# Altium PCB EDR.PcbDoc (part 1 of 2) (continued)
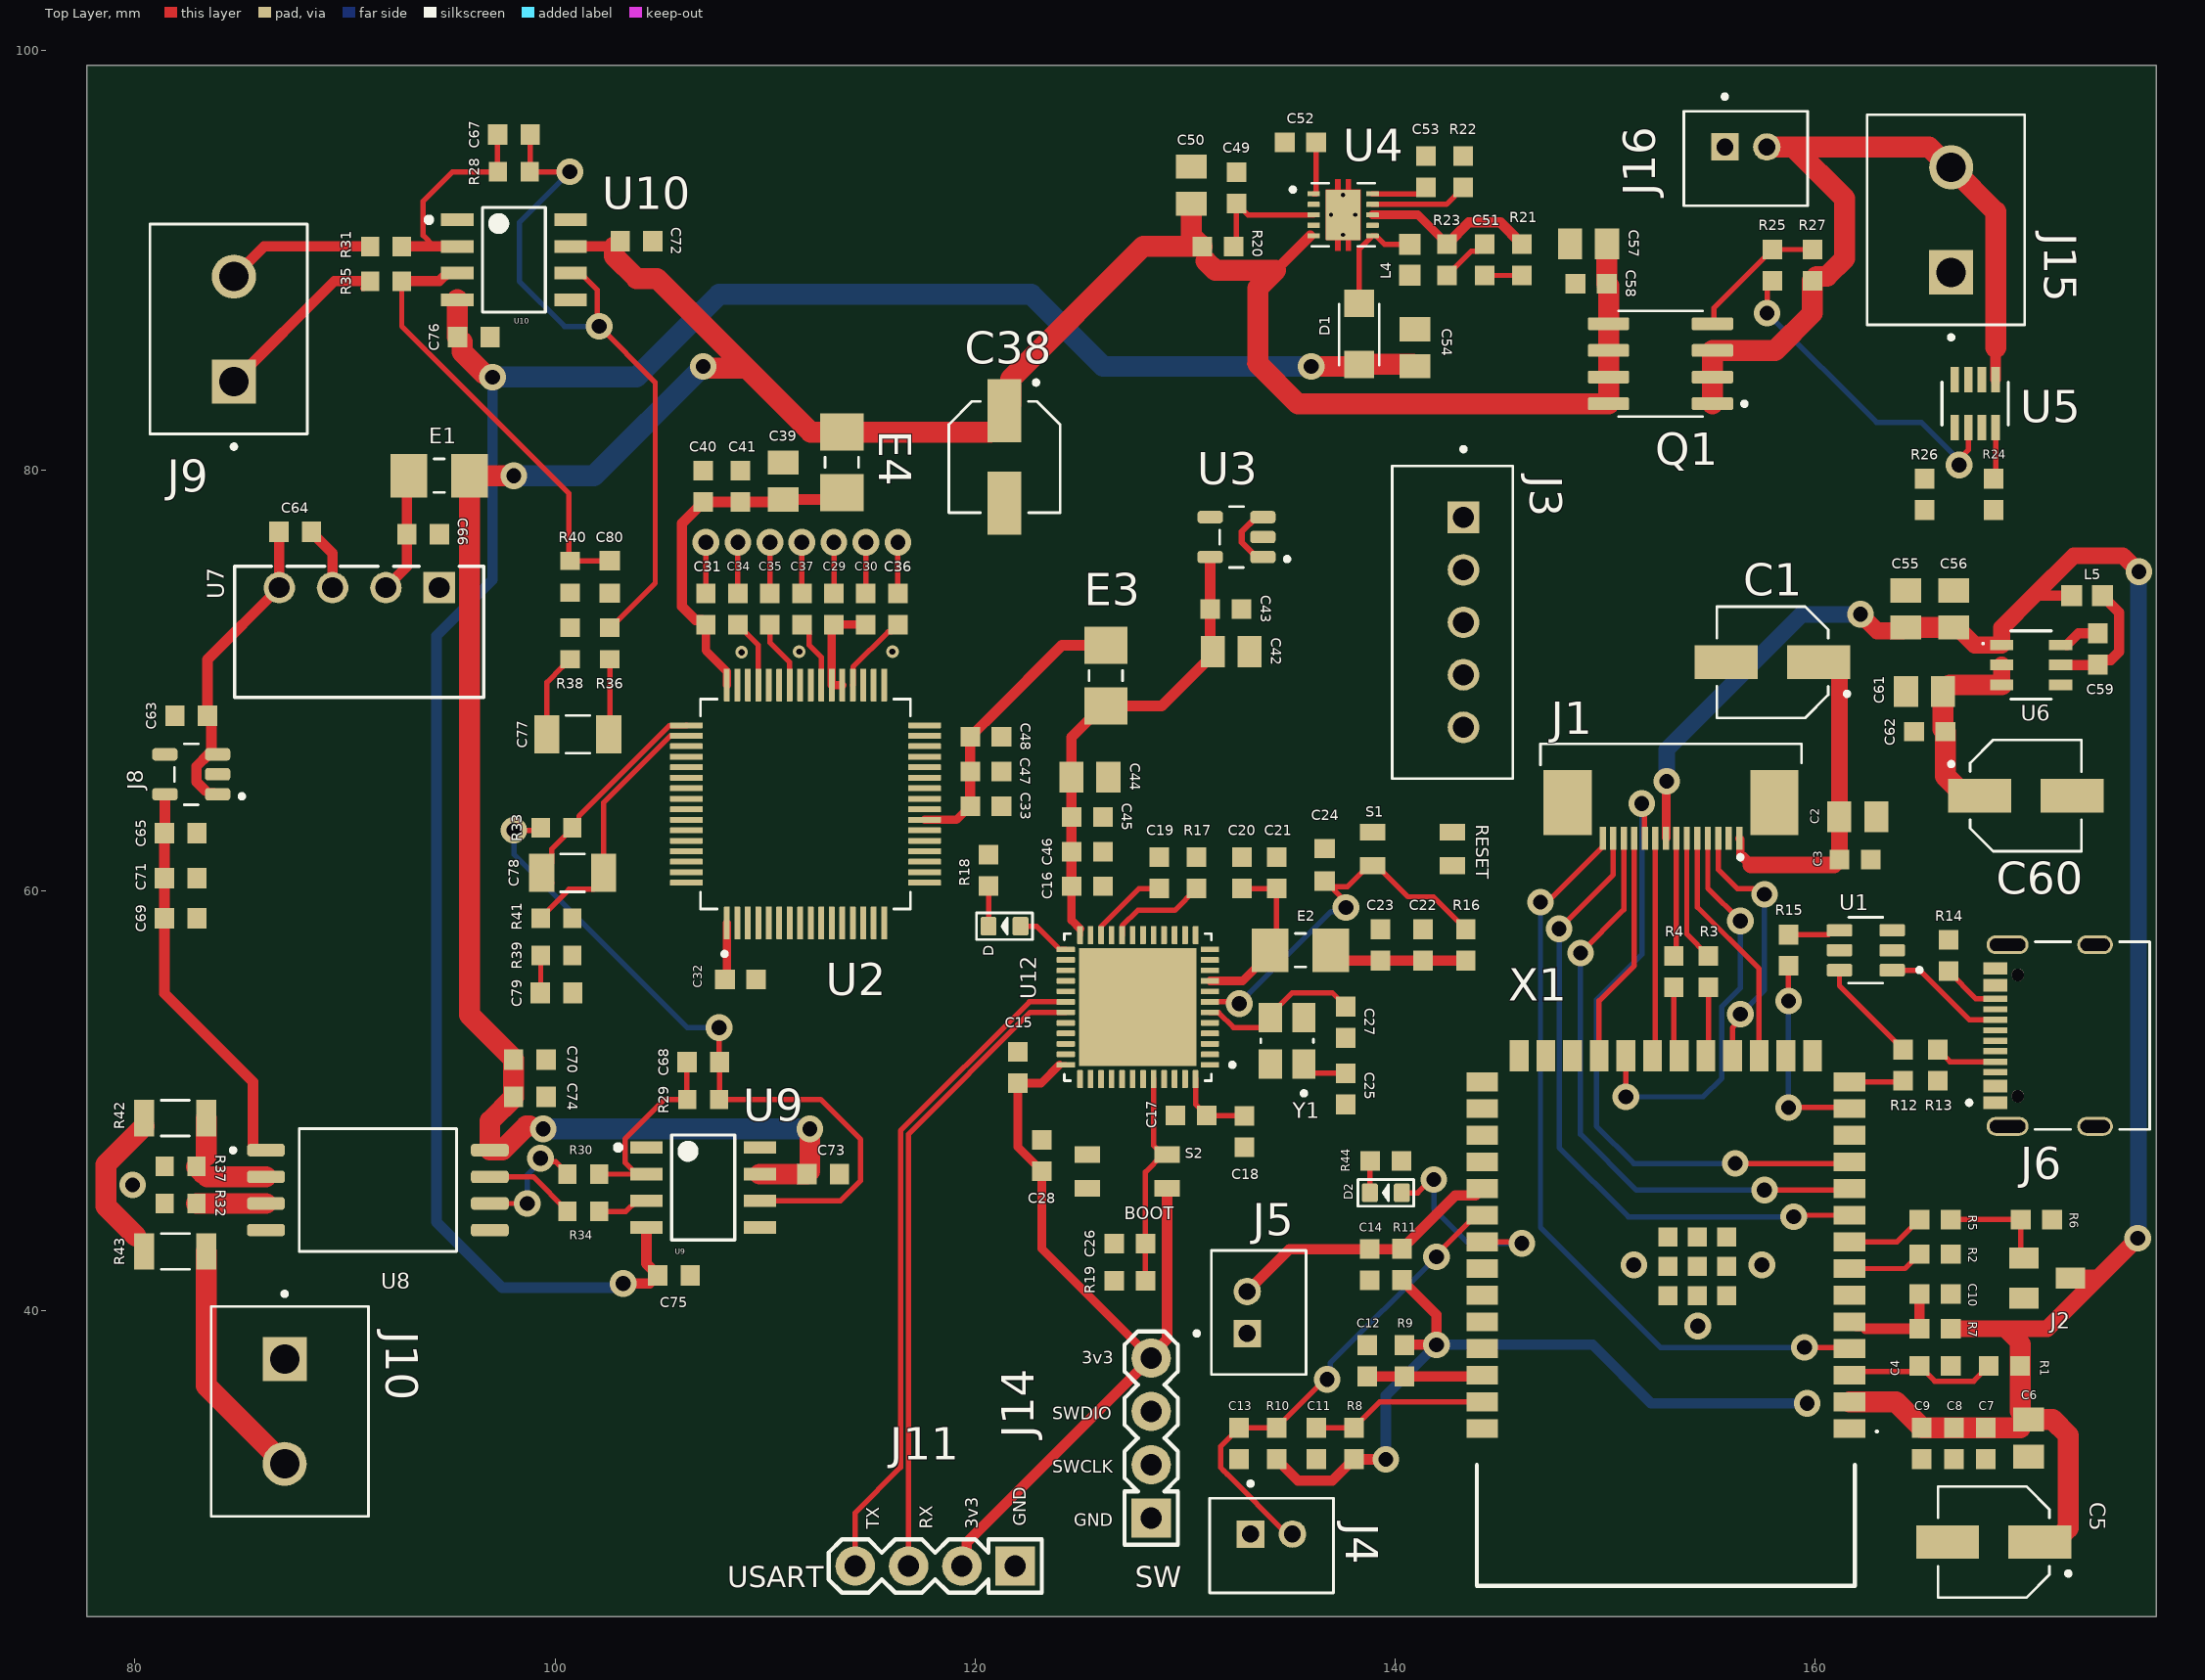
[diagram p0: Top Layer view]
## Components (designator, comment, footprint, x,y, rotation, side; value= is the part's Value field where it differs from the comment) (continued)
D "SMD-LED-YELLOW-WHITE(0603)" LED-0603 121.412,58.293 r180 top
D1 "zenor diode" "zenor diode" 138.303,86.487 r270 top
D2 "SMD-LED-YELLOW-WHITE(0603)" LED-0603 139.573,45.593 r180 top
E1 "FB" FB_MI1206K601R-10 94.488,79.756 r180 top
E2 "FB" FB_MI1206K601R-10 135.509,57.15 r0 top
E3 "FB" FB_MI1206K601R-10 126.238,70.231 r270 top
E4 "FB" FB_MI1206K601R-10 113.665,80.391 r90 top
J1 "FPC-connector" FPC-connector 153.158,62.484 r180 top
J2 "AO3400" AO3400 171.069,41.529 r270 top
J3 "5-pin jst" "5-pin jst" 142.748,72.771 r90 top
J4 "2-pin jst" "2-pin jst" 134.128,28.787 r180 top
J5 "2-pin jst" "2-pin jst" 133.519,39.894 r270 top
J6 "TYPE-C-31-M-12" TYPE-C-31-M-12 173.355,53.086 r90 top
J8 "TLV70233DBVR" TLV70233 82.677,65.532 r180 top
J9 "KF301-2P" HANDSON_KF301-2P 84.709,86.741 r90 top
J10 "KF301-2P" HANDSON_KF301-2P 87.122,35.179 r270 top
J11 "4-pin header" "4-pin header" 119.38,27.813 r180 top
J14 "4-pin header" "4-pin header" 128.397,32.639 r90 top
J15 "KF301-2P" HANDSON_KF301-2P 166.497,91.948 r90 top
J16 "2-pin jst" "2-pin jst" 156.718,94.869 r180 top
L4 "inductor" inductor 140.716,90.043 r270 top
L5 "inductor" inductor 172.974,74.041 r0 top
Q1 "AO4407A" AO4407A 152.654,85.09 r180 top
R1 "RES-603" CAP603 169.037,37.338 r0 top
R2 "RES-603" CAP603 165.735,42.672 r180 top
R3 "RES-603" CAP603 154.94,56.134 r270 top
R4 "RES-603" CAP603 153.289,56.134 r270 top
R5 "RES-603" CAP603 165.735,44.323 r180 top
R6 "RES-603" CAP603 170.561,44.323 r180 top
R7 "RES-603" CAP603 165.735,39.116 r0 top
R8 "RES-603" CAP603 138.049,33.655 r270 top
R9 "RES-603" CAP603 140.462,37.592 r90 top
R10 "RES-603" CAP603 134.366,33.655 r90 top
R11 "RES-603" CAP603 140.335,42.181 r90 top
R12 "RES-603" CAP603 164.211,51.672 r90 top
R13 "RES-603" CAP603 165.862,51.672 r270 top
R14 "RES-603" CAP603 166.37,56.896 r270 top
R15 "RES-603" CAP603 158.75,57.15 r90 top
R16 "RES-603" CAP603 143.383,57.404 r270 top
R17 "RES-603" CAP603 130.556,60.833 r90 top
R18 "RES-603" CAP603 120.65,60.96 r90 top
R19 "RES-603" CAP603 127.381,41.402 r0 top
R20 "RES-603" CAP603 131.572,90.678 r0 top
R21 "RES-603" CAP603 146.05,90.043 r90 top
R22 "RES-603" CAP603 143.256,94.234 r270 top
R23 "RES-603" CAP603 142.494,90.043 r90 top
R24 "RES-603" CAP603 168.529,78.867 r270 top
R25 "RES-603" CAP603 157.988,89.789 r90 top
R26 "RES-603" CAP603 165.227,78.867 r90 top
R27 "RES-603" CAP603 159.893,89.789 r270 top
R28 "33k" 0603RESISTOR 98.044,94.234 r0 top
R29 "22k" 0603RESISTOR 107.061,50.038 r0 top
R30 "10k" 0603RESISTOR 101.353,46.482 r0 top
R31 "10k" 0603RESISTOR 91.948,90.678 r0 top
R32 "1.2k" 0603RESISTOR 82.169,45.085 r0 top
R33 "680R" 0603RESISTOR 100.076,62.992 r0 top
R34 "10k" 0603RESISTOR 101.346,44.704 r0 top
R35 "10k" 0603RESISTOR 91.948,89.027 r0 top
R36 "680R" 0603RESISTOR 102.616,71.762 r270 top
R37 "1.2k" 0603RESISTOR 82.169,46.863 r180 top
R38 "680R" 0603RESISTOR 100.711,71.762 r270 top
R39 "22k" 0603RESISTOR 100.076,56.896 r180 top
R40 "33k" 0603RESISTOR 100.711,74.937 r90 top
R41 "680R" 0603RESISTOR 100.076,58.674 r180 top
R42 "1M" 1M_1206 81.915,49.149 r0 top
R43 "1M" 1M_1206 81.915,42.799 r180 top
R44 "RES-603" CAP603 139.573,47.117 r180 top
S1 "PB" PUSH_BUTTON 140.843,61.976 r0 top
S2 "PB" PUSH_BUTTON 127.254,46.609 r180 top
U1 "USBLC6-2SC6" USBLC6-2SC6 162.433,57.15 r180 top
U2 "ADS8588SIPM" ADS8588SIPM 111.932,64.115 r90 top
U3 "TLV75533PDBVR" TLV75533PDBVR 132.461,76.835 r180 top
U4 "TPS63700DRCR" TPS63700DRCR 137.538,92.186 r0 top
U5 "LTC2954CTS8-1#TRMPBF" LTC2954CTS8-1#TRMPBF 167.64,83.185 r270 top
U6 "AP63203WU-7" AP63203WU-7 170.307,70.739 r0 top
U7 "B0505S-1WR3" B0505S 94.488,74.422 r180 top
U8 "AMC1301DWVR" AMC1301 91.567,45.72 r0 top
U9 "OPA197IDR" D0008A-MFG 107.061,45.847 r0 top
U10 "OPA197IDR" D0008A-MFG 98.044,90.043 r0 top
U12 "STM32F411CEU6TR" STM32F411CEU6TR 127.761,54.439 r180 top
X1 "ESP32-S3-WROOM-1-N16R8" ESP32S3WROOM1N8R2 152.908,39.624 r180 top
Y1 "25 MHz oscillator" "25 MHz oscillator" 134.874,52.832 r90 top

## Footprints (in the part's own frame and the unit in brackets; to place one, negate y for a bottom-side part, rotate by r counter-clockwise, add the part's x,y. Pads: shape width x height; smd on the part's side, far side on the other; paste and mask are expansions set on the pad)
1M_1206 [mm]
  rect 0.97x1.73 smd paste+0 mask+0.102: 1(-1.48,0) 2(1.48,0)
  silkscreen extent -0.67,-0.85 0.67,0.85, body extent -1.55,-0.8 1.55,0.8, height 0.65
"2-pin jst" [mm]
  rect 1.308x1.308 / inner round 1.308 / far side rect 1.308x1.308 hole 0.8: 1(1,-0.55)
  round 1.308 hole 0.8: 2(-1,-0.55)
  silkscreen extent -2.95,-3.05 2.95,2.25, body extent -2.95,-2.25 2.95,2.25, height 6
"4-pin header" [mil]
  rect 74x74 / inner round 74 / far side rect 74x74 hole 40 mask+4.02: 1(-100,0)
  round 74 hole 40 mask+4.02: 2(0,0) 3(100,0) 4(200,0)
  silkscreen extent -150,-50 250,50, body extent -155,-47 245,47, height 330
"5-pin jst" [mm]
  rect 1.508x1.508 / inner round 1.508 / far side rect 1.508x1.508 hole 1: 1(5,-0.525)
  round 1.508 hole 1: 2(2.5,-0.525) 3(0,-0.525) 4(-2.5,-0.525) 5(-5,-0.525)
  silkscreen extent -7.45,-2.87 8.35,2.88, body extent -7.45,-2.88 7.45,2.88, height 7
"25 MHz oscillator" [mm]
  rect 1.4x1.1 smd paste+0 mask+0.102: 1(-1.1,-0.8) 2(1.1,-0.8) 3(1.1,0.8) 4(-1.1,0.8)
  silkscreen extent -2.6,-1.25 0.08,1.25
"100 uF" [mm]
  rect 3x1.6 smd: 1(-2.2,0) 2(2.2,0)
  silkscreen extent -3.65,-2.65 2.65,2.65, body extent 0,0 0,0
0603CAPACITOR [mm]
  rect 0.92x0.98 smd: 1(-0.775,0) 2(0.775,0)
  body extent -0.8,-0.41 0.8,0.41, height 0.9
0603RESISTOR [mm]
  rect 0.87x0.93 smd: 1(-0.755,0) 2(0.755,0)
  body extent -0.77,-0.4 0.77,0.4, height 0.6
ADS8588SIPM [mm]
  rrect25% 1.57x0.28 smd: 1(-5.67,3.75) 2(-5.67,3.25) 3(-5.67,2.75) 4(-5.67,2.25) 5(-5.67,1.75) 6(-5.67,1.25) 7(-5.67,0.75) 8(-5.67,0.25) 9(-5.67,-0.25) 10(-5.67,-0.75) 11(-5.67,-1.25) 12(-5.67,-1.75) 13(-5.67,-2.25) 14(-5.67,-2.75) 15(-5.67,-3.25) 16(-5.67,-3.75) 33(5.67,-3.75) 34(5.67,-3.25) 35(5.67,-2.75) 36(5.67,-2.25) 37(5.67,-1.75) 38(5.67,-1.25) 39(5.67,-0.75) 40(5.67,-0.25) 41(5.67,0.25) 42(5.67,0.75) 43(5.67,1.25) 44(5.67,1.75) 45(5.67,2.25) 46(5.67,2.75) 47(5.67,3.25) 48(5.67,3.75)
  rrect25% 0.28x1.57 smd: 17(-3.75,-5.67) 18(-3.25,-5.67) 19(-2.75,-5.67) 20(-2.25,-5.67) 21(-1.75,-5.67) 22(-1.25,-5.67) 23(-0.75,-5.67) 24(-0.25,-5.67) 25(0.25,-5.67) 26(0.75,-5.67) 27(1.25,-5.67) 28(1.75,-5.67) 29(2.25,-5.67) 30(2.75,-5.67) 31(3.25,-5.67) 32(3.75,-5.67) 49(3.75,5.67) 50(3.25,5.67) 51(2.75,5.67) 52(2.25,5.67) 53(1.75,5.67) 54(1.25,5.67) 55(0.75,5.67) 56(0.25,5.67) 57(-0.25,5.67) 58(-0.75,5.67) 59(-1.25,5.67) 60(-1.75,5.67) 61(-2.25,5.67) 62(-2.75,5.67) 63(-3.25,5.67) 64(-3.75,5.67)
  silkscreen extent -7.24,-5 5,5, body extent -6,-6 6,6, height 1.6
AMC1301 [mm]
  rrect50% 1.8x0.6 smd: 1(-5.33,1.905) 2(-5.33,0.635) 3(-5.33,-0.635) 4(-5.33,-1.905) 5(5.33,-1.905) 6(5.33,-0.635) 7(5.33,0.635) 8(5.33,1.905)
  silkscreen extent -7,-2.93 3.75,2.93, body extent -5.75,-2.93 5.75,2.93, height 2.8
AO3400 [mm]
  rect 1x1.4 smd paste+0 mask+0.102: 1(-0.95,-1.1) 2(0.95,-1.1) 3(0,1.1)
  body extent -1.45,-1.4 1.45,1.4, height 1.25
AO4407A [mm]
  rrect25% 1.97x0.6 smd: 1(-2.475,1.905) 2(-2.475,0.635) 3(-2.475,-0.635) 4(-2.475,-1.905) 5(2.475,-1.905) 6(2.475,-0.635) 7(2.475,0.635) 8(2.475,1.905)
  silkscreen extent -4.1,-2.52 2,2.52, body extent -3,-2.45 3,2.45, height 1.75
AP63203WU-7 [mil]
  rect 43.5x20 smd paste+0 mask+4.02: 1(-55.25,37.4) 2(-55.25,0) 3(-55.25,-37.4) 4(55.25,-37.4) 5(55.25,0) 6(55.25,37.4)
  silkscreen extent -91,-64 38,64, body extent -57,-57 57,57, height 39
B0505S [mil]
  rect 59x59 hole 39 paste-99999 mask+0: 1(0,0)
  round 59 hole 39 paste-99999 mask+0: 2(100,0) 3(200,0) 4(300,0)
  silkscreen extent -84,-40 384,206, body extent -79,-35 379,201, height 400
CAP603 [mm]
  rect 0.94x0.93 smd paste+0 mask+0.102: 1(-0.745,0) 2(0.745,0)
  body extent -0.8,-0.4 0.8,0.4, height 0.95
CAPC1206 [mm]
  rect 1.2x1.82 smd paste+0 mask+0.102: 1(-1.475,0) 2(1.475,0)
  silkscreen extent -0.57,-0.9 0.57,0.9, body extent -1.6,-0.8 1.6,0.8, height 1.75
CAPC2012X100N [mm]
  rect 1.15x1.47 smd: 1(-0.88,0) 2(0.88,0)
  body extent -1,-0.63 1,0.63, height 1
D0008A-MFG [mm]
  rect 1.55x0.6 smd paste+0 mask+0: 1(-2.7,1.905) 2(-2.7,0.635) 3(-2.7,-0.635) 4(-2.7,-1.905) 5(2.7,-1.905) 6(2.7,-0.635) 7(2.7,0.635) 8(2.7,1.905)
  silkscreen extent -4.17,-2.5 1.5,2.5
ESP32S3WROOM1N8R2 [mm]
  rect 1.5x0.9 smd: 1(-8.75,5.26) 2(-8.75,3.99) 3(-8.75,2.72) 4(-8.75,1.45) 5(-8.75,0.18) 6(-8.75,-1.09) 7(-8.75,-2.36) 8(-8.75,-3.63) 9(-8.75,-4.9) 10(-8.75,-6.17) 11(-8.75,-7.44) 12(-8.75,-8.71) 13(-8.75,-9.98) 14(-8.75,-11.25) 27(8.75,-11.25) 28(8.75,-9.98) 29(8.75,-8.71) 30(8.75,-7.44) 31(8.75,-6.17) 32(8.75,-4.9) 33(8.75,-3.63) 34(8.75,-2.36) 35(8.75,-1.09) 36(8.75,0.18) 37(8.75,1.45) 38(8.75,2.72) 39(8.75,3.99) 40(8.75,5.26)
  rect 0.9x1.5 smd: 15(-6.985,-12.5) 16(-5.715,-12.5) 17(-4.445,-12.5) 18(-3.175,-12.5) 19(-1.905,-12.5) 20(-0.635,-12.5) 21(0.635,-12.5) 22(1.905,-12.5) 23(3.175,-12.5) 24(4.445,-12.5) 25(5.715,-12.5) 26(6.985,-12.5)
  rect 0.9x0.9 smd: 41(-1.5,-2.46) 42(-1.5,-1.06) 43(-2.9,-1.06) 44(-2.9,-2.46) 45(-2.9,-3.86) 46(-1.5,-3.86) 47(-0.1,-3.86) 48(-0.1,-2.46) 49(-0.1,-1.06)
  silkscreen extent -10.1,5.35 9,12.75, body extent -9,-12.75 9,12.75, height 3.25
FB_MI1206K601R-10 [mm]
  rect 1.76x2.06 smd: 1(-1.445,0) 2(1.445,0)
  silkscreen extent -0.25,-0.8 0.25,0.8, body extent -1.6,-0.8 1.6,0.8, height 1.3
FPC-connector [mm]
  rect 0.3x1.1 smd paste+0 mask+0.102: 1(-3.25,0) 2(-2.75,0) 3(-2.25,0) 4(-1.75,0) 5(-1.25,0) 6(-0.75,0) 7(-0.25,0) 8(0.25,0) 9(0.75,0) 10(1.25,0) 11(1.75,0) 12(2.25,0) 13(2.75,0) 14(3.25,0)
  rect 2.3x3.1 smd paste+0 mask+0.102: P1(-4.92,-1.7) P2(4.92,-1.7)
  silkscreen extent -6.21,-4.5 6.22,1, body extent -6.21,-2.52 6.21,-0.47, height 5.1
HANDSON_KF301-2P [mm]
  rect 2.1x2.1 / inner round 2.1 / far side rect 2.1x2.1 hole 1.4: 1(-2.5,0)
  round 2.1 hole 1.4: 2(2.5,0)
  silkscreen extent -5.7,-3.5 5,4, body extent -5.6,-3.75 5,3.75, height 10
inductor [mm]
  rect 1x1.02 smd: 1(-0.735,0) 2(0.735,0)
LED-0603 [mil]
  rrect25% 30x35 smd: NEG(30,0) POS(-30,0)
  silkscreen extent -52,-25 52,25
LTC2954CTS8-1#TRMPBF [mil]
  rect 48x16 smd: 1(-45,38.39) 2(-45,12.8) 3(-45,-12.8) 4(-45,-38.39) 5(45,-38.39) 6(45,-12.8) 7(45,12.8) 8(45,38.39)
  silkscreen extent -40,-62 40,62
PUSH_BUTTON [mm]
  rect 1.2x0.8 smd paste+0 mask+0.102: 1(-1.9,0.8) 2(1.9,0.8) 3(-1.9,-0.8) 4(1.9,-0.8)
STM32F411CEU6TR [mm]
  rrect25% 0.87x0.27 smd: 1(-3.43,2.75) 2(-3.43,2.25) 3(-3.43,1.75) 4(-3.43,1.25) 5(-3.43,0.75) 6(-3.43,0.25) 7(-3.43,-0.25) 8(-3.43,-0.75) 9(-3.43,-1.25) 10(-3.43,-1.75) 11(-3.43,-2.25) 12(-3.43,-2.75) 25(3.43,-2.75) 26(3.43,-2.25) 27(3.43,-1.75) 28(3.43,-1.25) 29(3.43,-0.75) 30(3.43,-0.25) 31(3.43,0.25) 32(3.43,0.75) 33(3.43,1.25) 34(3.43,1.75) 35(3.43,2.25) 36(3.43,2.75)
  rrect25% 0.27x0.87 smd: 13(-2.75,-3.43) 14(-2.25,-3.43) 15(-1.75,-3.43) 16(-1.25,-3.43) 17(-0.75,-3.43) 18(-0.25,-3.43) 19(0.25,-3.43) 20(0.75,-3.43) 21(1.25,-3.43) 22(1.75,-3.43) 23(2.25,-3.43) 24(2.75,-3.43) 37(2.75,3.43) 38(2.25,3.43) 39(1.75,3.43) 40(1.25,3.43) 41(0.75,3.43) 42(0.25,3.43) 43(-0.25,3.43) 44(-0.75,3.43) 45(-1.25,3.43) 46(-1.75,3.43) 47(-2.25,3.43) 48(-2.75,3.43)
  rect 5.6x5.6 smd paste-4: 49(0,0)
  silkscreen extent -4.6,-3.5 3.5,3.5, body extent -3.5,-3.5 3.5,3.5, height 0.6
TLV70233 [mm]
  rrect50% 1.21x0.59 smd: 1(-1.255,0.95) 2(-1.255,0) 3(-1.255,-0.95) 4(1.255,-0.95) 5(1.255,0.95)
  silkscreen extent -2.51,-1.45 0.8,1.45, body extent -1.4,-1.45 1.4,1.45, height 1.45
TLV75533PDBVR [mm]
  rrect50% 1.21x0.59 smd: 1(-1.255,0.95) 2(-1.255,0) 3(-1.255,-0.95) 4(1.255,-0.95) 5(1.255,0.95)
  silkscreen extent -2.51,-1.45 0.8,1.45, body extent -1.4,-1.45 1.4,1.45, height 1.45
TPS63700DRCR [mm]
  rrect25% 0.6x0.24 smd mask+0: 1(-1.4,1) 2(-1.4,0.5) 3(-1.4,0) 4(-1.4,-0.5) 5(-1.4,-1) 6(1.4,-1) 7(1.4,-0.5) 8(1.4,0) 9(1.4,0.5) 10(1.4,1)
  rrect5% 1.65x2.4 smd paste-2 mask+0: 11(0,0)
  round 0.3 hole 0.2 mask+0: 12(0,-0.95) 13(-0.575,0) 14(0.575,0) 15(0,0.95)
  Top Layer region: 0.375,1.2 0.825,1.2 0.825,-1.2 0.375,-1.2 0.375,-1.7 0.125,-1.7 0.125,-1.2 -0.125,-1.2 -0.125,-1.7 -0.375,-1.7 -0.375,-1.2 -0.825,-1.2 -0.825,1.2 -0.375,1.2 -0.375,1.7 -0.125,1.7 -0.125,1.2 0.125,1.2 0.125,1.7 0.375,1.7
  silkscreen extent -2.49,-1.5 1.5,1.5, body extent -1.5,-1.5 1.5,1.5, height 1
TYPE-C-31-M-12 [mm]
  rect 0.6x1.14 smd mask+0.05: A1_B12(-3.2,4.75) A4_B9(-2.4,4.75) B1_A12(3.2,4.75) B4_A9(2.4,4.75)
  rect 0.3x1.14 smd mask+0.05: A5(-1.25,4.75) A6(-0.25,4.75) A7(0.25,4.75) A8(1.25,4.75) B5(1.75,4.75) B6(0.75,4.75) B7(-0.75,4.75) B8(-1.75,4.75)
  oval 0.9x2 hole 0.6 slot 1.7 at 90 deg: S1(-4.325,4.17) S2(4.325,4.17)
  oval 0.9x1.7 hole 0.6 slot 1.4 at 90 deg: S3(-4.325,0) S4(4.325,0)
  round 0.6 hole 0.6 unplated: ""(-2.89,3.68) ""(2.89,3.68)
  silkscreen extent -4.47,-2.6 4.47,6.1, body extent -4.47,-2.6 4.47,5.31, height 3.31
USBLC6-2SC6 [mm]
  rrect25% 1.21x0.59 smd: 1(-1.255,0.95) 2(-1.255,0) 3(-1.255,-0.95) 4(1.255,-0.95) 5(1.255,0) 6(1.255,0.95)
  silkscreen extent -2.66,-1.56 0.81,1.56, body extent -1.4,-1.46 1.4,1.46, height 1.4
"zenor diode" [mm]
  rect 1.3x1.4 smd: A(1.422,0) C(-1.473,0)
  silkscreen extent -1.45,-0.95 1.45,0.95, body extent -1.85,-0.9 1.85,0.9, height 1.08

## Part data
C1 C5 C38 C60: "Capacitor, Polymer Aluminum, Radial, 12mOhm, 100 CAP, 16V, SVPG, Surface Mount", Package=None, Check_prices=https://www.snapeda.com/parts/16SVPG100M/Panasonic/view-part/?ref=eda, MF=Panasonic, MP=16SVPG100M, SnapEDA_Link=https://www.snapeda.com/parts/16SVPG100M/Panasonic/view-part/?ref=snap
C2 C6 C39 C42 C44 C50 C54 C55 C56 C57 C61: "0.1 ÂµF Â±10% 50V Ceramic Capacitor X7R 0805 (2012 Metric)", Package="2012 TDK", Check_prices=https://www.snapeda.com/parts/C2012X7R1H104K085AA/TDK/view-part/?ref=eda, Digi-Key_Part_Number=445-7534-1-ND, MF=TDK, MP=C2012X7R1H104K085AA, Purchase-URL=https://pricing.snapeda.com/search/part/C2012X7R1H104K085AA/?ref=eda, SnapEDA_Link=https://www.snapeda.com/parts/C2012X7R1H104K085AA/TDK/view-part/?ref=snap
C3 C4 C7 C8 C9 C10 C11 C12 C13 C14 C15 C16 C17 C18 C19 C20 C21 C22 C23 C25 C26 C27 C28 C29 C30 C31 C32 C33 C34 C35 C36 C37 C40 C41 C43 C45 C46 C47 C48 C49 C51 C52 C53 C58 C59 C62: "0.1 ÂµF Â±5% 10V Ceramic Capacitor X7R 0603 (1608 Metric)", Package="0603-2 VISHAY", Check_prices=https://www.snapeda.com/parts/VJ0603Y104JXQCW1BC/Vishay/view-part/?ref=eda, MF=Vishay, MP=VJ0603Y104JXQCW1BC, SnapEDA_Link=https://www.snapeda.com/parts/VJ0603Y104JXQCW1BC/Vishay/view-part/?ref=snap
C24 C69 C72 C73 C74 C75 C76: library part 0603_0.1u, "100nf,X7R,50V", Package="1608 AVX", Check_prices=https://www.snapeda.com/parts/0603YC223KAT2A/AVX/view-part/?ref=eda, MF=AVX, MP=0603YC223KAT2A, SnapEDA_Link=https://www.snapeda.com/parts/0603YC223KAT2A/AVX/view-part/?ref=snap
C63 C65 C70 C71: library part 0603_1u, "1uF,X7R,50V", Package="1608 AVX", Check_prices=https://www.snapeda.com/parts/0603YC223KAT2A/AVX/view-part/?ref=eda, MF=AVX, MP=0603YC223KAT2A, SnapEDA_Link=https://www.snapeda.com/parts/0603YC223KAT2A/AVX/view-part/?ref=snap
C64: library part 0603_10u, "10uF,X7R,50V", Package="1608 AVX", Check_prices=https://www.snapeda.com/parts/0603YC223KAT2A/AVX/view-part/?ref=eda, MF=AVX, MP=0603YC223KAT2A, SnapEDA_Link=https://www.snapeda.com/parts/0603YC223KAT2A/AVX/view-part/?ref=snap
C66: library part 0603_4.7u, "4.7uF,X7R,50V", Package="1608 AVX", Check_prices=https://www.snapeda.com/parts/0603YC223KAT2A/AVX/view-part/?ref=eda, MF=AVX, MP=0603YC223KAT2A, SnapEDA_Link=https://www.snapeda.com/parts/0603YC223KAT2A/AVX/view-part/?ref=snap
C67 C80: library part 0603_1.5nf, "1.5nf_C0G_50V", Package="1608 AVX", Check_prices=https://www.snapeda.com/parts/0603YC223KAT2A/AVX/view-part/?ref=eda, MF=AVX, MP=0603YC223KAT2A, SnapEDA_Link=https://www.snapeda.com/parts/0603YC223KAT2A/AVX/view-part/?ref=snap
C68 C79: library part 0603_2.2n, "2.2nF,C0G,50V", Package="1608 AVX", Check_prices=https://www.snapeda.com/parts/0603YC223KAT2A/AVX/view-part/?ref=eda, MF=AVX, MP=0603YC223KAT2A, SnapEDA_Link=https://www.snapeda.com/parts/0603YC223KAT2A/AVX/view-part/?ref=snap
C77 C78: library part 0603_33n, "33nf_C0G_50V", Package="1608 AVX", Check_prices=https://www.snapeda.com/parts/0603YC223KAT2A/AVX/view-part/?ref=eda, MF=AVX, MP=0603YC223KAT2A, SnapEDA_Link=https://www.snapeda.com/parts/0603YC223KAT2A/AVX/view-part/?ref=snap
D D2: "SMD LED Yellow-White", Package=None, Availability=Unavailable, MF=Chengguangxing, MP=ADL-0603W, Price=None, SnapEDA_Link=https://www.snapeda.com/parts/ADL-0603W/Chengguangxing/view-part/106378/?ref=snap
D1: "DO-214AC (SMA), 1250mW, 5%, Zener Diode", Package="SMA-2 Taiwan Semiconductor", Check_prices=https://www.snapeda.com/parts/1SMA4746H/taiwan/view-part/?ref=eda, MF="Taiwan Semiconductor", MP=1SMA4746H, SnapEDA_Link=https://www.snapeda.com/parts/1SMA4746H/taiwan/view-part/?ref=snap
E1 E2 E3 E4: library part MI1206K601R-10, "600 Ohms @ 100 MHz 1 Power, Signal Line Ferrite Bead 1206 (3216 Metric) 1.5A 80mOhm", Package="1206 Laird", Check_prices=https://www.snapeda.com/parts/MI1206K601R-10/Laird-Signal+Integrity+Products/view-part/?ref=eda, MF="Laird-Signal Integrity", MP=MI1206K601R-10, SnapEDA_Link=https://www.snapeda.com/parts/MI1206K601R-10/Laird-Signal+Integrity+Products/view-part/?ref=snap
J1: "14 Position FPC Connector Contacts, Top 0.020 (0.50mm) Surface Mount, Right Angle", Package=None, Check_prices=https://www.snapeda.com/parts/1-1734839-4/TE+Connectivity+AMP+Connectors/view-part/?ref=eda, EU_RoHS_Compliance=Compliant, MF="TE Connectivity", MP=1-1734839-4, SnapEDA_Link=https://www.snapeda.com/parts/1-1734839-4/TE+Connectivity+AMP+Connectors/view-part/?ref=snap
J2: "N-Channel 30 V 5.8A (Ta) 1.4W (Ta) Surface Mount SOT-23-3", Package="SOT-23-3 Alpha &amp; Omega Semiconductor", Check_prices=https://www.snapeda.com/parts/AO3400/Alpha/view-part/?ref=eda, MF="Alpha &", MP=AO3400, SnapEDA_Link=https://www.snapeda.com/parts/AO3400/Alpha/view-part/?ref=snap
J3: "Connector Header Through Hole 5 position 0.098 (2.50mm)", Package=None, Check_prices=https://www.snapeda.com/parts/B5B-XH-A(LF)(SN)/JST+Sales+America+Inc./view-part/?ref=eda, MF="JST Sales America Inc.", MP=B5B-XH-A(LF)(SN), SnapEDA_Link=https://www.snapeda.com/parts/B5B-XH-A(LF)(SN)/JST+Sales+America+Inc./view-part/?ref=snap
J4 J5 J16: "Connector Header Through Hole 2 position 0.079 (2.00mm)", Package=None, Check_prices=https://www.snapeda.com/parts/B2B-PH-K-S/JST/view-part/?ref=eda, MF="JST Sales America Inc.", MP=B2B-PH-K-S, SnapEDA_Link=https://www.snapeda.com/parts/B2B-PH-K-S/JST/view-part/?ref=snap
J6: "USB Connectors 24 Receptacle 1 8.94*7.3mm RoHS", Package=Package, Check_prices=https://www.snapeda.com/parts/TYPE-C-31-M-12/HRO+Electronics+Co.%252C+Ltd./view-part/?ref=eda, MF="HRO Electronics Co., Ltd.", MP=TYPE-C-31-M-12, SnapEDA_Link=https://www.snapeda.com/parts/TYPE-C-31-M-12/HRO+Electronics+Co.%252C+Ltd./view-part/?ref=snap
J8: "300-mA, high-PSRR, low-IQ, low-dropout voltage regulator with enable", Package="SOT-23-5 Texas Instruments", Check_prices=https://www.snapeda.com/parts/TLV70233DBVR/Texas+Instruments/view-part/?ref=eda, MF="Texas Instruments", MP=TLV70233DBVR, SnapEDA_Link=https://www.snapeda.com/parts/TLV70233DBVR/Texas+Instruments/view-part/?ref=snap
J9 J10 J15: "2 Pin Terminal Block 5mm Pitch", Package=None, Check_prices=https://www.snapeda.com/parts/KF301-2P/Handson+Technology/view-part/?ref=eda, MF="Handson Technology", MP=KF301-2P, SnapEDA_Link=https://www.snapeda.com/parts/KF301-2P/Handson+Technology/view-part/?ref=snap
J11 J14: "BergStikÂ®, Board to Board connector, Unshrouded Header, Through Hole, Single Row, 4 Positions, 2.54 mm Pitch, Vertical, 5.84 mm (0.23 in.) Mating, 2.41 mm (0.095 in.) Tail", Package=None, Check_prices=https://www.snapeda.com/parts/68000-104HLF/Amphenol+FCI/view-part/?ref=eda, MF=FCI, MP=68000-104HLF, SnapEDA_Link=https://www.snapeda.com/parts/68000-104HLF/Amphenol+FCI/view-part/?ref=snap
L4 L5: "Inductor with Inductance: 4.7uH Tol. +/-20%, Package: 0603 _1608_", Package="1608 Murata", Availability=Unavailable, MF="Murata Electronics", MP=LQM18PN4R7MFRL, Price=None, SnapEDA_Link=https://www.snapeda.com/parts/LQM18PN4R7MFRL/Murata%20Electronics%20North%20America/view-part/1499515/?ref=snap
Q1: "P-Channel 30 V 12A (Ta) 3.1W (Ta) Surface Mount 8-SOIC", Package="SOIC-8 Alpha &amp; Omega Semiconductor", Check_prices=https://www.snapeda.com/parts/AO4407A/Alpha/view-part/?ref=eda, MF="Alpha &", MP=AO4407A, SnapEDA_Link=https://www.snapeda.com/parts/AO4407A/Alpha/view-part/?ref=snap
R1 R2 R3 R4 R5 R6 R7 R8 R9 R10 R11 R12 R13 R14 R15 R16 R17 R18 R19 R20 R21 R22 R23 R24 R25 R26 R27 R44: Package="2012 Rohm Semiconductor", Availability="In Stock", Check_prices=https://www.snapeda.com/parts/RC0805FR-0710KL/Yageo/view-part/?ref=eda, MF=Yageo, MP=RC0805FR-0710KL, Price=None, Purchase-URL=https://pricing.snapeda.com/search/part/RC0805FR-0710KL/?ref=eda, SnapEDA_Link=https://www.snapeda.com/parts/RC0805FR-0710KL/Yageo/view-part/?ref=snap
R28 R40: library part 0603_33k_1, "33kOhm", Package="1508 Bourns", Check_prices=https://www.snapeda.com/parts/CRT0603-FY-1000ELF/Bourns/view-part/?ref=eda, Digi-Key_Part_Number=118-CRT0603-FY-1000ELFTR-ND, MF=Bourns, MP=CRT0603-FY-1000ELF, Purchase-URL=https://pricing.snapeda.com/search/part/CRT0603-FY-1000ELF/?ref=eda, SnapEDA_Link=https://www.snapeda.com/parts/CRT0603-FY-1000ELF/Bourns/view-part/?ref=snap
R29 R39: library part 0603_22k, "22kOhm_0.1% to 0.5%", Package="1508 Bourns", Check_prices=https://www.snapeda.com/parts/CRT0603-FY-1000ELF/Bourns/view-part/?ref=eda, Digi-Key_Part_Number=118-CRT0603-FY-1000ELFTR-ND, MF=Bourns, MP=CRT0603-FY-1000ELF, Purchase-URL=https://pricing.snapeda.com/search/part/CRT0603-FY-1000ELF/?ref=eda, SnapEDA_Link=https://www.snapeda.com/parts/CRT0603-FY-1000ELF/Bourns/view-part/?ref=snap
R30 R31 R34 R35: library part 0603_10k, "10kOhm", Package="1508 Bourns", Check_prices=https://www.snapeda.com/parts/CRT0603-FY-1000ELF/Bourns/view-part/?ref=eda, Digi-Key_Part_Number=118-CRT0603-FY-1000ELFTR-ND, MF=Bourns, MP=CRT0603-FY-1000ELF, Purchase-URL=https://pricing.snapeda.com/search/part/CRT0603-FY-1000ELF/?ref=eda, SnapEDA_Link=https://www.snapeda.com/parts/CRT0603-FY-1000ELF/Bourns/view-part/?ref=snap
R32 R37: library part 0603_1.2K, "1.2k (0.1%-0.5%)", Package="1508 Bourns", Check_prices=https://www.snapeda.com/parts/CRT0603-FY-1000ELF/Bourns/view-part/?ref=eda, Digi-Key_Part_Number=118-CRT0603-FY-1000ELFTR-ND, MF=Bourns, MP=CRT0603-FY-1000ELF, Purchase-URL=https://pricing.snapeda.com/search/part/CRT0603-FY-1000ELF/?ref=eda, SnapEDA_Link=https://www.snapeda.com/parts/CRT0603-FY-1000ELF/Bourns/view-part/?ref=snap
R33 R36 R38 R41: library part 0603_680Ohm, "680Ohm-0.1%", Package="1508 Bourns", Check_prices=https://www.snapeda.com/parts/CRT0603-FY-1000ELF/Bourns/view-part/?ref=eda, Digi-Key_Part_Number=118-CRT0603-FY-1000ELFTR-ND, MF=Bourns, MP=CRT0603-FY-1000ELF, Purchase-URL=https://pricing.snapeda.com/search/part/CRT0603-FY-1000ELF/?ref=eda, SnapEDA_Link=https://www.snapeda.com/parts/CRT0603-FY-1000ELF/Bourns/view-part/?ref=snap
R42 R43: library part 1206-1M, "1M Ohms Â±1% 0.25W, 1/4W Chip Resistor 1206 (3216 Metric) Moisture Resistant Thick Film", Package="3116 Yageo", Check_prices=https://www.snapeda.com/parts/RC1206JR-0713RL/Yageo/view-part/?ref=eda, MF=Yageo, MP=RC1206JR-0713RL, SnapEDA_Link=https://www.snapeda.com/parts/RC1206JR-0713RL/Yageo/view-part/?ref=snap
S1 S2: library part PushButton
U1: "17V Clamp 5A (8/20Âµs) Ipp Tvs Diode Surface Mount SOT-23-6", Package="SOT-23-6 STMicroelectronics", Availability="In Stock", Check_prices=https://www.snapeda.com/parts/USBLC6-2SC6/STMicroelectronics/view-part/?ref=eda, MF=STMicroelectronics, MP=USBLC6-2SC6, Price=None, Purchase-URL=https://pricing.snapeda.com/search/part/USBLC6-2SC6/?ref=eda, SnapEDA_Link=https://www.snapeda.com/parts/USBLC6-2SC6/STMicroelectronics/view-part/?ref=snap
U2: "16-Bit High-Speed 8-Channel Simultaneous-Sampling ADC With Bipolar Inputs on a Single Supply 64-LQFP -40 to 125", Package="LQFP-64 Texas Instruments", Availability="In Stock", Check_prices=https://www.snapeda.com/parts/ADS8588SIPM/Texas+Instruments/view-part/?ref=eda, MF="Texas Instruments", MP=ADS8588SIPM, Price=None, Purchase-URL=https://pricing.snapeda.com/search/part/ADS8588SIPM/?ref=eda, SnapEDA_Link=https://www.snapeda.com/parts/ADS8588SIPM/Texas+Instruments/view-part/?ref=snap
U3: "500-mA High-PSRR Low-IQ-Tief-Dropout-Spannungsregler mitablem", Package="SOT-23-5 Texas Instruments", Check_prices=https://www.snapeda.com/parts/TLV75533PDBVR/Texas+Instruments/view-part/?ref=eda, MF="Texas Instruments", MP=TLV75533PDBVR, SnapEDA_Link=https://www.snapeda.com/parts/TLV75533PDBVR/Texas+Instruments/view-part/?ref=snap
U4: "Adjustable, -15V Output Inverting DC/DC Converter in 3x3 QFN", Package="VSON-10 Texas Instruments", Check_prices=https://www.snapeda.com/parts/TPS63700DRCR/Texas+Instruments/view-part/?ref=eda, MF="Texas Instruments", MP=TPS63700DRCR, SnapEDA_Link=https://www.snapeda.com/parts/TPS63700DRCR/Texas+Instruments/view-part/?ref=snap
U5: Package=None, Availability=Unavailable, MF="{'manufacturer': u'Analog Devices Inc.'}", MP=LTC2954CTS8-1#TRMPBF, Price=None
U6: "Buck Switching Regulator IC Positive Fixed 3.3V 1 Output 2A SOT-23-6 Thin, TSOT-23-6", Package="SOT-23-6 Diodes Incorporated", Check_prices=https://www.snapeda.com/parts/AP63203WU-7/Diodes+Inc./view-part/?ref=eda, MF="Diodes Zetex", MP=AP63203WU-7, SnapEDA_Link=https://www.snapeda.com/parts/AP63203WU-7/Diodes+Inc./view-part/?ref=snap
U7: "Description", Manufacturer_Name=MORNSUN, Copyright="Copyright (C) 2026 Ultra Librarian. All rights reserved.", Manufacturer_Part_Number=B0505S-1WR3, RefDes=RefDes, Type="DC DC Converters"
U8: "250 mV-Input Precision Reinforced Isolated Amplifier for Current Sensing 8-SOIC -40 to 125", Package="SOIC-8 Texas Instruments", Availability="In Stock", Check_prices=https://www.snapeda.com/parts/AMC1301DWVR/Texas+Instruments/view-part/?ref=eda, MF="Texas Instruments", MP=AMC1301DWVR, Price=None, Purchase-URL=https://pricing.snapeda.com/search/part/AMC1301DWVR/?ref=eda, SnapEDA_Link=https://www.snapeda.com/parts/AMC1301DWVR/Texas+Instruments/view-part/?ref=snap
U9 U10: "Single, 36-V, precision, rail-to-rail input output, low offset voltage op amp 8-SOIC -40 to 125", Manufacturer_Name="Texas Instruments", Copyright="Copyright (C) 2026 Ultra Librarian. All rights reserved.", Manufacturer_Part_Number=OPA197IDR, RefDes=RefDes, Type=TYPE
U12: "ARMÂ® CortexÂ®-M4 series Microcontroller IC 32-Bit Single-Core 100MHz 512KB (512K x 8) FLASH 48-UFQFPN (7x7)", Package="UFQFN-48 STMicroelectronics", Availability="In Stock", Check_prices=https://www.snapeda.com/parts/STM32F411CEU6TR/STMicroelectronics/view-part/?ref=eda, MF=STMicroelectronics, MP=STM32F411CEU6TR, Price=None, Purchase-URL=https://pricing.snapeda.com/search/part/STM32F411CEU6TR/?ref=eda, SnapEDA_Link=https://www.snapeda.com/parts/STM32F411CEU6TR/STMicroelectronics/view-part/?ref=snap
X1: "Bluetooth, WiFi 802.11b/g/n, Bluetooth v5.0 Transceiver Module 2.4GHz PCB Trace Surface Mount", Package="NON STANDARD Espressif Systems", Check_prices=https://www.snapeda.com/parts/ESP32-S3-WROOM-1-N16R8/Espressif+Systems/view-part/?ref=eda, MF="Espressif Systems", MP=ESP32-S3-WROOM-1-N16R8, SnapEDA_Link=https://www.snapeda.com/parts/ESP32-S3-WROOM-1-N16R8/Espressif+Systems/view-part/?ref=snap
Y1: "25 MHz 10ppm Crystal 18pF 30 Ohms 4-SMD, No Lead (3.20mm x 2.50mm)", Package=None, Check_prices=https://www.snapeda.com/parts/RH100-25.000-18-F-1015-TR-NS2/Raltron+Electronics/view-part/?ref=eda, MF="Raltron Electronics", MP=RH100-25.000-18-F-1015-TR-NS2, SnapEDA_Link=https://www.snapeda.com/parts/RH100-25.000-18-F-1015-TR-NS2/Raltron+Electronics/view-part/?ref=snap

## Via types
v1: diameter 1.27, hole 0.711, Top Layer to Bottom Layer, 53 vias
v2: diameter 0.6, hole 0.3, Top Layer to Bottom Layer, 3 vias

## Nets (pads, with @x,y where several pads share a name; then routed paths per layer and width w, separated by ;. In a path a pad name is that pad's centre, name@x,y a point inside that pad or via, vN(x,y) a via of type N, cw(c..) or ccw(c..) an arc to the next point about the centre after c; other vN are vias at no path point)
3.3V: C5.1 C6.2 C7.2 C8.2 C9.2 C55.1 C56.1 J1.8 J2.3 L5.1 R1.2 R7.2 R8.2 R9.2 R10.1 R11.1 R26.1 U6.1 X1.2 | length 143.8
  Top Layer w0.254: R10.1@134.366,32.905 R10.1@134.366,32.91 ; R8.2@138.049,32.905 R8.2@138.049,32.91 R8.2@138.066,32.893 ; R11.1@140.335,41.431 R11.1@140.335,41.436 ; R9.2@140.462,38.337 R9.2@140.479,38.354 ; J1.8@152.908,62.484 J1.8@152.929,62.505 ; v1@152.929,65.172 v1(152.95,65.193) ; C55.1@164.174,72.362 C55.1@164.338,72.526 ; C9.2@165.1,34.4 C9.2@165.1,34.405 ; C56.1@166.624,72.526 C56.1@166.784,72.526 ; C6.2@169.782,35.187 C6.2@170.18,34.789 C6.2@169.791,34.4 ; C5.1@170.729,28.956 C5.1@171.412,28.956
  Top Layer w0.4: J1.8@152.929,62.505 v1@152.929,65.172
  Top Layer w0.5: R10.1@134.366,32.905 135.394,31.877 137.021,31.877 R8.2@138.049,32.905 ; R8.2@138.066,32.893 v1@139.319,32.893 ; R11.1@140.335,41.431 141.986,39.78 v1(141.986,38.354) R9.2@140.479,38.354 ; 170.434,74.041 L5.1@172.239,74.041
  Top Layer w0.8: v1(162.179,73.152) 162.969,72.362 C55.1@164.174,72.362 ; R7.2@166.48,39.116 169.037,39.116 ; C56.1@166.784,72.526 167.621,71.689 U6.1@168.904,71.689 168.904,72.511 170.434,74.041 172.339,75.946 174.679,75.946 v1(175.441,75.184) ; 169.782,38.371 169.037,39.116 ; J2.3@172.169,41.529 173.482,41.529 ; v1(175.387,43.434) 173.482,41.529 ; 169.037,39.116 171.069,39.116 ; 171.069,39.116 173.482,41.529 ; 171.069,39.116 173.482,41.529 ; 171.069,39.116 173.482,41.529
  Top Layer w1: X1.2@161.658,35.634 163.871,35.634 C9.2@165.1,34.405 ; C55.1@164.338,72.526 C56.1@166.624,72.526 ; C9.2@165.1,34.4 C8.2@166.624,34.4 C7.2@168.148,34.4 C6.2@169.791,34.4 ; C6.2@169.782,35.187 R1.2@169.782,37.338 169.782,38.371 ; C6.2@170.18,34.789 171.332,34.789 172.085,34.036 172.085,29.629 C5.1@171.412,28.956
  Bottom Layer w0.5: v1(139.573,32.893) 139.573,35.941 v1(141.986,38.354) 149.415,38.354 152.209,35.56 v1(159.639,35.56)
  Bottom Layer w0.8: v1(152.95,65.193) 152.95,66.717 159.385,73.152 v1(162.179,73.152) ; v1(175.387,43.434) 175.414,43.461 175.414,75.157 v1(175.441,75.184)
3.3V_ADC: C33.1 C47.2 C48.2 E3.1 U2.6 U2.7 U2.23 U2.34 | length 14
  Top Layer w0.254: C33.1@119.773,64.008 C33.1@119.778,64.008 ; C48.2@119.778,67.31 119.783,67.31 120.121,67.648 C48.2@120.121,67.653
  Top Layer w0.4: U2.23@117.602,63.365 119.13,63.365 C33.1@119.773,64.008
  Top Layer w0.5: C33.1@119.778,64.008 C47.2@119.778,65.659 C48.2@119.778,67.31 ; C48.2@120.121,67.653 120.794,68.326 124.144,71.676 E3.1@126.238,71.676